# Altium PCB Walkie mini.PcbDoc
Units mil, origin at the board's own origin, x right, y up, seen from the top; angles counter-clockwise.
Board outline 6000 x 4000 mil, 2 copper layers (Top Layer, Bottom Layer); 51 components, 52 nets, 272 pads, 0 vias.
Unrouted connection lines stored in the file: 149.
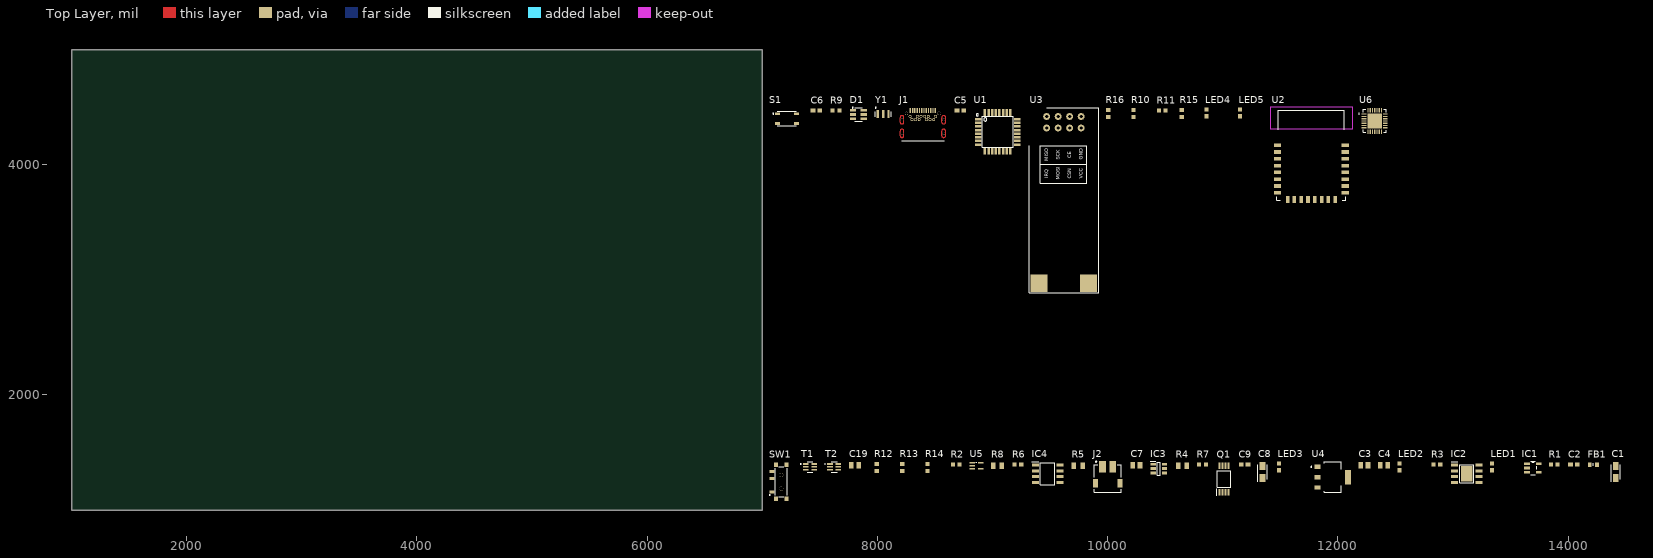
[diagram p0: Top Layer view]
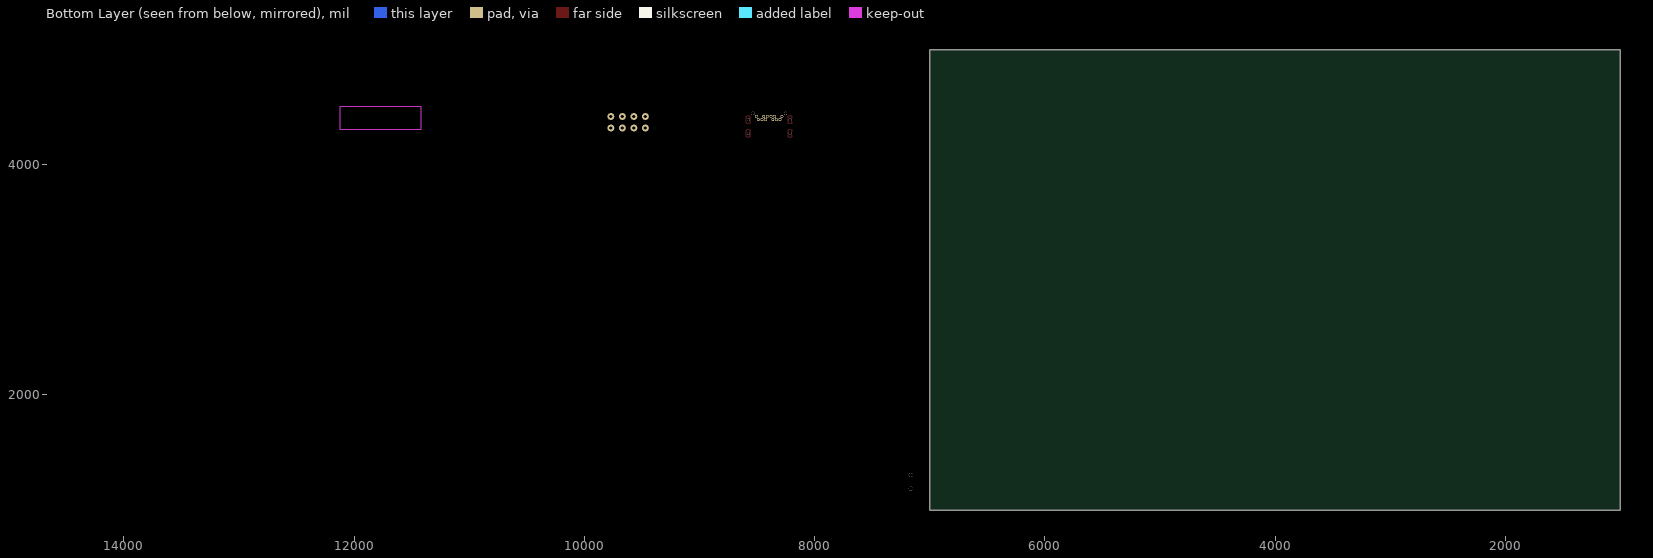
[diagram p1: Bottom Layer view, seen from below]

## Layer stack, top to bottom
Top Solder: solder mask 0.4, Solder Resist, Dk 3.5
Top Layer: signal copper 1.4
Dielectric 1: dielectric 12.6, FR-4, Dk 4.8
Bottom Layer: signal copper 1.4
Bottom Solder: solder mask 0.4, Solder Resist, Dk 3.5

## Board outline
1000,1000 7000,1000 7000,5000 1000,5000

## Design rules (kind name [scope] priority, off if disabled: settings)
Clearance [All] p1: gap=10 ignorepadtopadclearanceinfootprint=FALSE except(0: Arc-Hole Track-Hole SMDPad-Hole THPad-Hole Via-Hole Fill-Hole Poly-Hole Region-Hole Text-Hole)
PolygonConnect [All] p1: connectstyle=Relief reliefconductorwidth=10 reliefentries=4 polygonreliefangle="90 Angle" airgapwidth=10
RoutingVias [All] p1: holewidth=28 width=50 viastyle="Through Hole" minholewidth=28 minwidth=50 maxholewidth=28 maxwidth=50
SolderMaskExpansion [All] p1: expansion=4
Width [All] p1: maxlimit=10 minlimit=10 preferedwidth=10
30 further rules are at their usual default settings.

## Classes and differential pairs
component class Radio: C5 C6 D1 J1 LED4 LED5 R9 R10 R11 R15 R16 S1 U1 U2 U3 U6 Y1
component class power: C1 C2 C3 C4 C7 C8 C9 C19 FB1 IC1 IC2 IC3 IC4 J2 LED1 LED2 LED3 Q1 R1 R2 R3 R4 R5 R6 R7 R8 R12 R13 R14 SW1 T1 T2 U4 U5

## Components (designator, comment, footprint, x,y, rotation, side; value= is the part's Value field where it differs from the comment)
C1 "tantalum capacitor 1206" CAPPM3216X180N 14415,1330 r90 top value=10uF
C2 "capacitor 0603" *CAPC1608X95N 14050,1395 r0 top value=0.1uF
C3 "08055A101JAT2A" CAPC2012X94N 12230,1390 r0 top value=10uF
C4 "08055A101JAT2A" CAPC2012X94N 12400,1390 r0 top value=10uF
C5 "capacitor 0603" *CAPC1608X95N 8720,4470 r0 top value=0.1uF
C6 "capacitor 0603" *CAPC1608X95N 7470,4470 r0 top value=0.1uF
C7 "08055A101JAT2A" CAPC2012X94N 10250,1390 r0 top value=0.1uF
C8 "tantalum capacitor 1206" CAPPM3216X180N 11345,1330 r90 top value=10uF
C9 "capacitor 0603" *CAPC1608X95N 11190,1395 r0 top value=0.1uF
C19 "08055A101JAT2A" CAPC2012X94N 7805,1390 r0 top value=4.7uF
D1 "USBLC6-2SC6" *SOT95P280X145-6N 7835,4435 r0 top
FB1 "inductor 0603" BEADC1608X95N 14220,1395 r0 top value=10uH
IC1 "TPS62203" SOT95P280X145-5N 13695,1365 r0 top
IC2 "TP4056" SOIC127P600X175-9N 13120,1315 r0 top
IC3 "DW01-P" SOT95P280X135-6N 10445,1360 r0 top
IC4 "SI4143DY-T1-GE3" SI4143DY-T1-GE3 9480,1315 r0 top
J1 "DX07S024XJ1R1100" *JAE_DX07S024XJ1R1100_DX07S024XJ1R1100(Primary) 8395,4445 r0 top
J2 "S2B-ZR-SM4A-TF(LF)(SN)" *JST_S2B-ZR-SM4A-TF(LF)(SN)_S2B-ZR-SM4A-TF(LF)(SN)(Primary) 10000,1290 r0 top
LED1 "HSMR-C191" *0603 13340,1375 r90 top value=Red
LED2 "HSMR-C191" *0603 12535,1375 r90 top value=Green
LED3 "HSMR-C191" *0603 11490,1375 r90 top value=Green
LED4 "HSMR-C191" *0603 10860,4450 r90 top value=Red
LED5 "HSMR-C191" *0603 11150,4450 r90 top value=Orange
Q1 "FS8205A" SOP65P640X120-8N 11010,1270 r90 top
R1 "resistor" RESC1608X55N 13880,1395 r0 top value=1K
R2 "resistor" RESC1608X55N 8685,1395 r0 top value=1.2K
R3 "resistor" RESC1608X55N 12860,1395 r0 top value=1K
R4 "CPF0805" RESC2012X65N 10650,1385 r0 top value=100
R5 "CPF0805" RESC2012X65N 9745,1385 r0 top value=1K
R6 "resistor" RESC1608X55N 9220,1395 r0 top value=470K
R7 "resistor" RESC1608X55N 10825,1395 r0 top value=1K
R8 "CPF0805" RESC2012X65N 9045,1385 r0 top value=10K
R9 "resistor" RESC1608X55N 7640,4470 r0 top value=10K
R10 "resistor" RESC1608X55N 10225,4445 r90 top value=1K
R11 "resistor" RESC1608X55N 10475,4470 r0 top value=1K
R12 "resistor" RESC1608X55N 7995,1370 r90 top value=10K
R13 "resistor" RESC1608X55N 8215,1370 r90 top value=10K
R14 "resistor" RESC1608X55N 8435,1370 r90 top value=2K
R15 "resistor" RESC1608X55N 10645,4445 r90 top value=22.1K
R16 "resistor" RESC1608X55N 10005,4445 r90 top value=47.5K
S1 "PTS810SJK250SMTRLFS" *PTS810SJG250SMTRLFS 7215,4400 r0 top
SW1 "1437575-1" *SW_MLL1200S_MLL1200S(Primary) 7165,1245 r90 top
T1 "PMGD780SN" *SOP65P210X110-6N 7415,1375 r0 top
T2 "PMGD780SN" *SOP65P210X110-6N 7625,1375 r0 top
U1 "ATMEGA328P-AN" *QFP80P900X900X120-32N 9045,4285 r0 top
U2 "JDY-23" *JDY-23 11770,4090 r0 top
U3 "NRF24L01P+" NRF24L01P+ 9620,3690 r90 top
U4 "AMS1117" *SOT229P700X180-4N 11955,1285 r0 top
U5 "LMS33460MG" *SOT65P210X110-5N 8860,1385 r0 top
U6 "CP2102N-A01-GQFN28" *QFN50P500X500X80-29N 12320,4380 r0 top
Y1 "PBRC8.00MR10X000" *XTAL_PBRC8.00MR10X000 8050,4440 r0 top

## Footprints (in the part's own frame and the unit in brackets; to place one, negate y for a bottom-side part, rotate by r counter-clockwise, add the part's x,y. Pads: shape width x height; smd on the part's side, far side on the other; paste and mask are expansions set on the pad)
*0603 [mm]
  rect 0.95x0.9 smd: 1(-0.75,0) 2(0.75,0)
  body extent -0.8,-0.4 0.8,0.4, height 0.6
*CAPC1608X95N [mm]
  rect 1.04x0.97 smd: 1(-0.74,0) 2(0.74,0)
  body extent -0.85,-0.45 0.85,0.45, height 0.9
*JAE_DX07S024XJ1R1100_DX07S024XJ1R1100(Primary) [mm]
  rect 0.3x1.1 smd: A1(-2.75,0.66) A2(-2.25,0.66) A3(-1.75,0.66) A4(-1.25,0.66) A5(-0.75,0.66) A6(-0.25,0.66) A7(0.25,0.66) A8(0.75,0.66) A9(1.25,0.66) A10(1.75,0.66) A11(2.25,0.66) A12(2.75,0.66)
  round 0.65 hole 0.4: B1(2.8,-0.65) B2(2.4,-1.35) B3(1.6,-1.35) B4(1.2,-0.65) B5(0.8,-1.35) B6(0.4,-0.65) B7(-0.4,-0.65) B8(-0.8,-1.35) B9(-1.2,-0.65) B10(-1.6,-1.35) B11(-2.4,-1.35) B12(-2.8,-0.65)
  round 0.6 hole 0.6 unplated: None(-4.6,-4.4) None(-4.6,-1.4) None(4.6,-4.4) None(4.6,-1.4)
  round 0.75 hole 0.75 unplated: None(-3.6,0) None(3.6,0)
  Top Layer lines w0.25: -5.025,-4.9 ccw(c-4.6,-4.9) -4.6,-5.325 ccw(c-4.6,-4.9) -4.175,-4.9 -4.175,-3.9 ccw(c-4.6,-3.9) -4.6,-3.475 ccw(c-4.6,-3.9) -5.025,-3.9 -5.025,-4.9 ; -5.025,-1.9 ccw(c-4.6,-1.9) -4.6,-2.325 ccw(c-4.6,-1.9) -4.175,-1.9 -4.175,-0.9 ccw(c-4.6,-0.9) -4.6,-0.475 ccw(c-4.6,-0.9) -5.025,-0.9 -5.025,-1.9 ; 4.175,-4.9 ccw(c4.6,-4.9) 4.6,-5.325 ccw(c4.6,-4.9) 5.025,-4.9 5.025,-3.9 ccw(c4.6,-3.9) 4.6,-3.475 ccw(c4.6,-3.9) 4.175,-3.9 4.175,-4.9 ; 4.175,-1.9 ccw(c4.6,-1.9) 4.6,-2.325 ccw(c4.6,-1.9) 5.025,-1.9 5.025,-0.9 ccw(c4.6,-0.9) 4.6,-0.475 ccw(c4.6,-0.9) 4.175,-0.9 4.175,-1.9
  silkscreen extent -4.7,-6.05 4.7,-6.05, body extent -4.7,-8.87 4.7,0.89, height 3.45
*JDY-23 [mm]
  rect 1.6x0.8 smd: 1(-7.45,2) 2(-7.45,0.5) 3(-7.45,-1) 4(-7.45,-2.5) 5(-7.45,-4) 6(-7.45,-5.5) 7(-7.45,-7) 8(-7.45,-8.5) 17(7.45,-8.5) 18(7.45,-7) 19(7.45,-5.5) 20(7.45,-4) 21(7.45,-2.5) 22(7.45,-1) 23(7.45,0.5) 24(7.45,2)
  rect 0.8x1.6 smd: 9(-5.25,-10) 10(-3.75,-10) 11(-2.25,-10) 12(-0.75,-10) 13(0.75,-10) 14(2.25,-10) 15(3.75,-10) 16(5.25,-10)
  Keep-Out Layer region: -9,10.5 9,10.5 9,5.5 -9,5.5
  Keep-Out Layer region: -9,10.5 9,10.5 9,5.5 -9,5.5
  Keep-Out Layer region: -9,10.5 9,10.5 9,5.5 -9,5.5
  Keep-Out Layer region: -9,10.5 9,10.5 9,5.5 -9,5.5
  Keep-Out Layer region: -9,10.5 9,10.5 9,5.5 -9,5.5
  Keep-Out Layer region: -9,10.5 9,10.5 9,5.5 -9,5.5
  Keep-Out Layer region: -9,10.5 9,10.5 9,5.5 -9,5.5
  Keep-Out Layer region: -9,10.5 9,10.5 9,5.5 -9,5.5
  Keep-Out Layer region: -9,10.5 9,10.5 9,5.5 -9,5.5
  silkscreen extent -7.62,-10.1 7.62,9.75, body extent -7.51,-10 7.51,9.89, height 2.08
*JST_S2B-ZR-SM4A-TF(LF)(SN)_S2B-ZR-SM4A-TF(LF)(SN)(Primary) [mm]
  rect 1.5x2.5 smd: 1(-1.15,2.15) 2(1.15,2.15)
  rect 1.1x1.9 smd: S1(-2.7,-1.45) S2(2.7,-1.45)
  silkscreen extent -3,-3.4 3,3.4, body extent -3,-3.43 3,3.07, height 3.7
*PTS810SJG250SMTRLFS [mm]
  rect 1.05x0.65 smd: 1(-2.075,1.075) 2(2.075,1.075) 3(-2.075,-1.075) 4(2.075,-1.075)
  silkscreen extent -3.1,-1.6 2.07,1.6, body extent -3.4,-1.75 3.4,1.75, height 4.48
*QFN50P500X500X80-29N [mm]
  rect 1.01x0.27 smd: 1(-2.36,1.5) 2(-2.36,1) 3(-2.36,0.5) 4(-2.36,0) 5(-2.36,-0.5) 6(-2.36,-1) 7(-2.36,-1.5) 15(2.36,-1.5) 16(2.36,-1) 17(2.36,-0.5) 18(2.36,0) 19(2.36,0.5) 20(2.36,1) 21(2.36,1.5)
  rect 0.27x1.01 smd: 8(-1.5,-2.36) 9(-1,-2.36) 10(-0.5,-2.36) 11(0,-2.36) 12(0.5,-2.36) 13(1,-2.36) 14(1.5,-2.36) 22(1.5,2.36) 23(1,2.36) 24(0.5,2.36) 25(0,2.36) 26(-0.5,2.36) 27(-1,2.36) 28(-1.5,2.36)
  rect 3.25x3.25 smd: 29(0,0)
  silkscreen extent -3.55,-2.55 2.55,2.55, body extent -2.5,-2.5 2.5,2.5, height 0.78
*QFP80P900X900X120-32N [mm]
  rect 1.5x0.55 smd: 1(-4.3,2.8) 2(-4.3,2) 3(-4.3,1.2) 4(-4.3,0.4) 5(-4.3,-0.4) 6(-4.3,-1.2) 7(-4.3,-2) 8(-4.3,-2.8) 17(4.3,-2.8) 18(4.3,-2) 19(4.3,-1.2) 20(4.3,-0.4) 21(4.3,0.4) 22(4.3,1.2) 23(4.3,2) 24(4.3,2.8)
  rect 0.55x1.5 smd: 9(-2.8,-4.3) 10(-2,-4.3) 11(-1.2,-4.3) 12(-0.4,-4.3) 13(0.4,-4.3) 14(1.2,-4.3) 15(2,-4.3) 16(2.8,-4.3) 25(2.8,4.3) 26(2,4.3) 27(1.2,4.3) 28(0.4,4.3) 29(-0.4,4.3) 30(-1.2,4.3) 31(-2,4.3) 32(-2.8,4.3)
  silkscreen extent -4.75,-3.4 3.4,4, body extent -4.5,-4.5 4.5,4.5, height 1
*SOP65P210X110-6N [mm]
  rect 1.24x0.4 smd: 1(-0.935,0.65) 2(-0.935,0) 3(-0.935,-0.65) 4(0.935,-0.65) 5(0.935,0) 6(0.935,0.65)
  silkscreen extent -2.11,-1.16 0.63,1.16, body extent -1.05,-1 1.05,1, height 1.09
*SOT65P210X110-5N [mm]
  rect 1.24x0.4 smd: 1(-0.935,0.66) 2(-0.935,0) 3(-0.935,-0.66) 4(0.935,-0.66) 5(0.935,0.66)
  silkscreen extent -0.13,0.71 0.12,0.74, body extent -1.01,-1.01 1.09,0.99, height 0.92
*SOT95P280X145-6N [mm]
  rect 1.36x0.6 smd: 1(-1.175,0.95) 2(-1.175,0) 3(-1.175,-0.95) 4(1.175,-0.95) 5(1.175,0) 6(1.175,0.95)
  silkscreen extent -1.37,-1.46 0.81,1.62, body extent -1.43,-1.46 1.37,1.46, height 1.42
*SOT229P700X180-4N [mm]
  rect 1.31x0.93 smd: 1(-3.345,2.29) 2(-3.345,0) 3(-3.345,-2.29)
  rect 1.31x3.24 smd: 4(3.345,0)
  silkscreen extent -4.8,-3.36 1.86,3.36, body extent -3.63,-3.25 3.37,3.25, height 1.78
*SW_MLL1200S_MLL1200S(Primary) [mm]
  rect 0.7x1.1 smd: 1(-2.25,2.05) 2(0.75,2.05) 3(2.25,2.05)
  rect 1x0.8 smd: G1(-3.75,1.15) G2(3.75,1.15) G3(-3.75,-1.15) G4(3.75,-1.15)
  round 0.9 hole 0.9 unplated: None(-1.5,0) None(1.5,0)
  silkscreen extent -3.35,-1.35 3.35,2.64, body extent -3.85,-2.85 3.85,2.25, height 1.5
*XTAL_PBRC8.00MR10X000 [mm]
  rect 0.5x1.7 smd: 1(-1.2,0) 2(0,0) 3(1.2,0)
  silkscreen extent -1.78,-0.59 1.78,1.5, body extent -1.6,-0.65 1.6,0.65, height 0.7
BEADC1608X95N [mm]
  rect 0.85x1 smd: 1(-0.8,0) 2(0.8,0)
  silkscreen extent 0,-0.3 0,0.3, body extent -0.8,-0.4 0.8,0.4, height 0.95
CAPC2012X94N [mm]
  rect 1.02x1.47 smd: 1(-0.81,0) 2(0.81,0)
  body extent -1,-0.63 1,0.63, height 0.94
CAPPM3216X180N [mm]
  rect 1.8x1.25 smd: 1(-1.3,0) 2(1.3,0)
  silkscreen extent -2.16,-1.02 1.64,1.02, body extent -1.6,-0.8 1.6,0.8, height 1.8
NRF24L01P+ [mil]
  round 60 hole 30: 1(628.35,150) 2(628.35,50) 3(628.35,-50) 4(628.35,-150) 5(728.35,-150) 6(728.35,-50) 7(728.35,50) 8(728.35,150)
  rect 150x150 smd: 9(-720,-215) 10(-720,215)
  silkscreen extent -803,-301 803,301, body extent -2098,-300 815,300, height 3663
RESC1608X55N [mm]
  rect 0.9x0.95 smd: 1(-0.75,0) 2(0.75,0)
  body extent -0.77,-0.4 0.77,0.4, height 0.55
RESC2012X65N [mm]
  rect 1x1.45 smd: 1(-0.95,0) 2(0.95,0)
  body extent -1,-0.63 1,0.63, height 0.65
SI4143DY-T1-GE3 [mm]
  rect 1.525x0.7 smd: 1(-2.712,1.905) 2(-2.712,0.635) 3(-2.712,-0.635) 4(-2.712,-1.905) 5(2.712,-1.905) 6(2.712,-0.635) 7(2.712,0.635) 8(2.712,1.905)
  silkscreen extent -3.47,-2.45 1.6,2.61, body extent -3,-2.45 3,2.45, height 1.75
SOIC127P600X175-9N [mm]
  rect 1.525x0.7 smd: 1(-2.712,1.905) 2(-2.712,0.635) 3(-2.712,-0.635) 4(-2.712,-1.905) 5(2.712,-1.905) 6(2.712,-0.635) 7(2.712,0.635) 8(2.712,1.905)
  rect 2.513x3.402 smd: 9(0,0)
  silkscreen extent -3.47,-2.03 1.52,2.61, body extent -3,-2.45 3,2.45, height 1.75
SOP65P640X120-8N [mm]
  rect 1.475x0.45 smd: 1(-2.938,0.975) 2(-2.938,0.325) 3(-2.938,-0.325) 4(-2.938,-0.975) 5(2.938,-0.975) 6(2.938,-0.325) 7(2.938,0.325) 8(2.938,0.975)
  silkscreen extent -3.67,-1.47 1.85,1.55, body extent -3.2,-1.47 3.2,1.47, height 1.2
SOT95P280X135-6N [mm]
  rect 1.2x0.65 smd: 1(-1.25,0.95) 2(-1.25,0) 3(-1.25,-0.95) 4(1.25,-0.95) 5(1.25,0) 6(1.25,0.95)
  silkscreen extent -1.85,-1.43 0.3,1.63, body extent -1.4,-1.43 1.4,1.43, height 1.35
SOT95P280X145-5N [mil]
  rect 50x22 smd: 1(-51,37) 2(-51,0) 3(-51,-37) 4(51,-37) 5(51,37)
  silkscreen extent -21,-60 34,60, body extent -105,-75 55,57, height 153

## Part data
C1 C8: "Capacitor Polarised"
C2 C5 C6 C9: "Capacitor"
C3 C4 C7 C19: "Capacitor", Manufacturer_Name=AVX, Mouser Part Number=581-08055A101J, RS Part Number=0391000P, Allied_Number=70474488, Allied Price/Stock=https://www.alliedelec.com/avx-08055a101jat2a/70474488/, Datasheet Link=https://componentsearchengine.com/Datasheets/1/06031A100FAT2A.pdf, Height=0.94mm, Manufacturer_Part_Number=08055A101JAT2A, Mouser Price/Stock=https://www.mouser.com/Search/Refine.aspx?Keyword=581-08055A101J, RS Price/Stock=http://uk.rs-online.com/web/p/products/0391000P
D1: "USBLC6 Series 2 Line 6 V Uni / Bi-Directional ESD Protection - SOT-23-6", Package="SOT-23-6 STMicroelectronics", Availability=Unavailable, MF=STMicroelectronics, MP=USBLC6-2SC6, Price=None, SnapEDA_Link=https://www.snapeda.com/parts/USBLC6-2SC6/STMicroelectronics/view-part/?ref=snap
FB1: "Ferrite Bead"
IC1 IC4: "Integrated Circuit"
IC2: "Integrated Circuit", Manufacturer_Name="NanJing Top Power", Datasheet Link=https://dlnmh9ip6v2uc.cloudfront.net/datasheets/Prototyping/TP4056.pdf, Height=1.75mm, Manufacturer_Part_Number=TP4056
IC3: "Integrated Circuit", Manufacturer_Name="Fortune Semiconductor Corporation", ComponentLink1Description=DW01, ComponentLink1URL=https://lcsc.com/product-detail/MOSFET_DW01_C181096.html, Datasheet Link=https://cdn.sparkfun.com/assets/learn_tutorials/2/5/1/DW01-P_DataSheet_V10.pdf, Height=1.35mm, Manufacturer_Part_Number=DW01-P
J1: "Cut Tape - Usb Type c Receptacle Mid Mnt Dual r", Package=None, Availability=Unavailable, MF="JAE Electronics", MP=DX07S024XJ1R1100, Price=None, SnapEDA_Link=https://www.snapeda.com/parts/DX07S024XJ1R1100/JAE%20Electronics/view-part/?ref=snap
J2: "Connector Header Surface Mount, Right Angle 2 position 0.059 _1.50mm_", Package=None, Availability=Unavailable, MF="JST Sales", MP=S2B-ZR-SM4A-TF_LF__SN_, Price=None, SnapEDA_Link=https://www.snapeda.com/parts/S2B-ZR-SM4A-TF%28LF%29%28SN%29/JST%20Sales%20America%20Inc./view-part/567593/?ref=snap
LED1 LED2 LED3 LED4 LED5: "LED Indication - Discrete 3.4V 0603 _1608 Metric_", Package="0603 Broadcom", Availability=Unavailable, MF="Broadcom Limited", MP=HSMR-C191, Price=None, SnapEDA_Link=https://www.snapeda.com/parts/HSMR-C191/Broadcom%20Limited/view-part/2190324/?ref=snap
Q1: "Transistor", Manufacturer_Name="SII Semiconductor", Datasheet Link=http://www.ic-fortune.com/upload/Download/FS8205A-DS-12_EN.pdf, Height=1.2mm, Manufacturer_Part_Number=FS8205A
R1 R2 R3 R6 R7 R9 R10 R11 R12 R13 R14 R15 R16: "Resistor"
R4 R5 R8: "Resistor", Manufacturer_Name="TE Connectivity", Manufacturer_Part_Number=CPF0805B100KE, Mouser Part Number=279-CPF0805B100KE, RS Part Number=6662673, Allied_Number=70286772, Allied Price/Stock=https://www.alliedelec.com/te-connectivity-cpf0805b100ke/70286772/, Datasheet Link=http://docs-europe.electrocomponents.com/webdocs/13d1/0900766b813d116f.pdf, Height=0.65mm, Mouser Price/Stock=https://www.mouser.com/Search/Refine.aspx?Keyword=279-CPF0805B100KE, RS Price/Stock=https://uk.rs-online.com/web/p/products/6662673
S1: "Tactile Switch SPST-NO Top Actuated Surface Mount", Package=None, Availability=Unavailable, MF=C&K, MP="PTS810 SJK 250 SMTR LFS", Price=None, SnapEDA_Link=https://www.snapeda.com/parts/PTS810%20SJK%20250%20SMTR%20LFS/C%26K/view-part/3076435/?ref=snap
SW1: library part MLL1200S, "Slide Switch SPDT Surface Mount, Right Angle", Package=None, Availability=Unavailable, MF="TE Connectivity", MP=MLL1200S, Price=None, SnapEDA_Link=https://www.snapeda.com/parts/MLL1200S/TE%20Connectivity%20ALCOSWITCH%20Switches/view-part/1494234/?ref=snap, TE_purchase_URL=https://www.te.com/usa-en/product-1437575-1.html?te_bu=Cor&te_type=disp&te_campaign=seda_glo_cor-seda-global-disp-prtnr-fy19-seda-model-bom-cta_sma-317_1&elqCampaignId=32493
T1 T2: "Mosfet Array 2 N-Channel _Dual_ 20V 1.2A 390mW Surface Mount 6-TSSOP", Package="SOT-363 NXP Semiconductors", Availability=Unavailable, MF="NXP Semiconductors", MP=PMGD780SN, Price=None, SnapEDA_Link=https://www.snapeda.com/parts/PMGD130UN/NXP%20Semiconductors/view-part/4258135/?ref=snap
U1: "AVR AVR® ATmega Microcontroller IC 8-Bit 20MHz 32KB _16K x 16_ FLASH 32-TQFP _7x7_", Package="TQFP-32 Microchip", Availability=Unavailable, MF=Microchip, MP=ATMEGA328P-AN, Price=None, SnapEDA_Link=https://www.snapeda.com/parts/ATMEGA328P-AN/Microchip/view-part/1227245/?ref=snap
U2: "Bluetooth Bluetooth v4.0 Transceiver Module 2.4GHz Integrated, Chip Surface Mount", Package=None, Availability=Unavailable, MF="Sierra Wireless", MP=JDY-23, Price=None, SnapEDA_Link=https://www.snapeda.com/parts/BC118/Sierra%20Wireless/view-part/48683/?ref=snap
U4: "1A LOW DROPOUT VOLTAGE REGULATOR", Package="SOT-223 Seeed Technology", Availability=Unavailable, MF="Seeed Technology", MP=AMS1117, Price=None, SnapEDA_Link=https://www.snapeda.com/parts/AMS1117/Seeed%20Technology%20Co.%2C%20Ltd/view-part/?ref=snap
U5: "3V Under Voltage Detector 5-SC70 -40 to 85", Package="SC-70 Texas Instruments", Availability=Unavailable, MF="Texas Instruments", MP=LMS33460MG/NOPB, Price=None, SnapEDA_Link=https://www.snapeda.com/parts/LMS33460MG/NOPB/Texas%20Instruments/view-part/16255/?ref=snap
U6: "USB Bridge, USB to UART USB 2.0 UART Interface 28-QFN _5x5_", Package="QFN-28 Silicon Labs", Availability=Unavailable, MF="Silicon Labs", MP=CP2102N-A01-GQFN28, Price=None, SnapEDA_Link=https://www.snapeda.com/parts/CP2102N-A01-GQFN28/Silicon%20Labs/view-part/554799/?ref=snap
Y1: "8MHz Ceramic Resonator Built in Capacitor 15pF ±0.1% -40°C ~ 85°C Surface Mount", Package="SMD-3 AVX / Kyocera", Availability=Unavailable, MF="Kyocera International", MP=PBRC8.00MR10X000, Price=None, SnapEDA_Link=https://www.snapeda.com/parts/PBRC8.00MR10X000/Kyocera%20International%20Inc.%20Electronic%20Components/view-part/481757/?ref=snap

## Nets (pads, with @x,y where several pads share a name; then routed paths per layer and width w, separated by ;. In a path a pad name is that pad's centre, name@x,y a point inside that pad or via, vN(x,y) a via of type N, cw(c..) or ccw(c..) an arc to the next point about the centre after c; other vN are vias at no path point)
3V3: C8.1 C9.1 C19.2 IC4.1 IC4.2 IC4.3 LED3.2 R8.1 R9.2 U1.4 U1.6 U1.18 U4.2 U4.4
3V3_BT: C1.1 C2.2 FB1.2 IC1.4 LED4.2 U2.1
3V3_NRF: IC4.5 IC4.6 IC4.7 IC4.8 U3.4
ALED: LED5.2 U2.17
CE: U1.13 U3.6
CHR0: T1.5 U6.15
CHR1: T2.2 U6.14
CHREN: T1.2 U6.13
CHSW: T2.5 U2.14 U6.22
CSN: U1.12 U3.3
D_N: D1.3 D1.4 J1.A7 U6.5
D_P: D1.1 D1.6 J1.A6 U6.4
GND: C1.2 C2.1 C3.2 C4.2 C5.1 C6.1 C8.2 C9.2 C19.1 D1.2 IC1.2 IC2.1 IC2.3 J1.A1 J1.A12 J1.B1 J1.B12 Q1.6 Q1.7 R5.2 R7.2 R11.1 R16.1 S1.3 SW1.G1 SW1.G2 SW1.G3 SW1.G4 T1.1 T1.4 T2.1 T2.4 U1.3 U1.5 U1.21 U2.24 U3.5 U3.9 U3.10 U4.1 U5.2 U5.3 U6.3 U6.29 Y1.2
IRQ: U1.10 U3.1
MISO: U1.16 U3.8
MOSI: U1.15 U3.2
NetC4_1: C4.1 IC2.5 J2.1 R4.1 SW1.3
NetC5_2: C5.2 U1.20
NetC7_1: C7.1 IC3.5 R4.2
NetC7_2: C7.2 IC3.6 J2.2 Q1.2 Q1.3
NetFB1_1: FB1.1 IC1.5
NetIC2_6: IC2.6 R3.1
NetIC2_7: IC2.7 R1.1
NetIC3_1: IC3.1 Q1.4
NetIC3_2: IC3.2 R5.1
NetIC3_3: IC3.3 Q1.5
NetLED1_1: LED1.1 R1.2
NetLED2_1: LED2.1 R3.2
NetLED3_1: LED3.1 R7.1
NetLED4_1: LED4.1 R10.2
NetLED5_1: LED5.1 R11.2
NetR2_1: R2.1 T2.3
NetR12_1: R12.1 T1.6
NetR13_1: R13.1 T1.3
NetR14_1: R14.1 T2.6
NetU1_7: U1.7 Y1.1
NetU1_8: U1.8 Y1.3
NRF_ON/OFF: IC4.4 R8.2 U1.11
PROG: IC2.2 R2.2 R12.2 R13.2 R14.2
PWR_OUT: IC1.1 IC1.3 R6.1 SW1.2 U4.3 U5.5 U6.7
PWRC: U1.9 U2.22
RESET: R9.1 S1.1 U1.29 U6.28
RXD: U1.31 U6.25
SCK: U1.17 U3.7
SRXD: U1.1 U2.19
SS: U1.14
STAT: R10.1 U1.2 U2.6
STXD: U1.32 U2.20
TXD: U1.30 U6.26
VBAT: R6.2 U1.23 U5.4
VCC: C3.1 C6.2 D1.5 IC2.4 IC2.8 J1.A4 J1.A9 J1.B4 J1.B9 LED1.2 LED2.2 R15.2
VDD: R15.1 R16.2 U6.6
pads on no net: IC2.9 IC3.4 J1.A2 J1.A3 J1.A5 J1.A8 J1.A10 J1.A11 J1.B2 J1.B3 J1.B5 J1.B6 J1.B7 J1.B8 J1.B10 J1.B11 J1.None J2.S1 J2.S2 Q1.1 Q1.8 S1.2 S1.4 SW1.1 SW1.None U1.19 U1.22 U1.24 U1.25 U1.26 U1.27 U1.28 U2.2 U2.3 U2.4 U2.5 U2.7 U2.8 U2.9 U2.10 U2.11 U2.12 U2.13 U2.15 U2.16 U2.18 U2.21 U2.23 U5.1 U6.1 U6.2 U6.8 U6.9 U6.10 U6.11 U6.12 U6.16 U6.17 U6.18 U6.19 U6.20 U6.21 U6.23 U6.24 U6.27

## Text inside footprints (layer, text, board x,y; h text height)
U3: Top Overlay "VCC" at 9785.99,3878.6 h32 r90; Top Overlay "GND" at 9785.99,4041.1 h32 r90; Top Overlay "IRQ" at 9485.99,3881.26 h32 r90; Top Overlay "MOSI" at 9585.99,3867.93 h32 r90; Top Overlay "MISO" at 9485.99,4027.77 h32 r90; Top Overlay "SCK" at 9585.99,4041.1 h32 r90; Top Overlay "CSN" at 9685.99,3878.6 h32 r90; Top Overlay "CE" at 9685.99,4057.09 h32 r90